# KiCad board oculink-to-pcie-adapter.kicad_pcb
title: OCuLink to PCIe adapter; date: 2025-06-18; rev: 1.0.0; company: Antmicro Ltd; note: www.antmicro.com
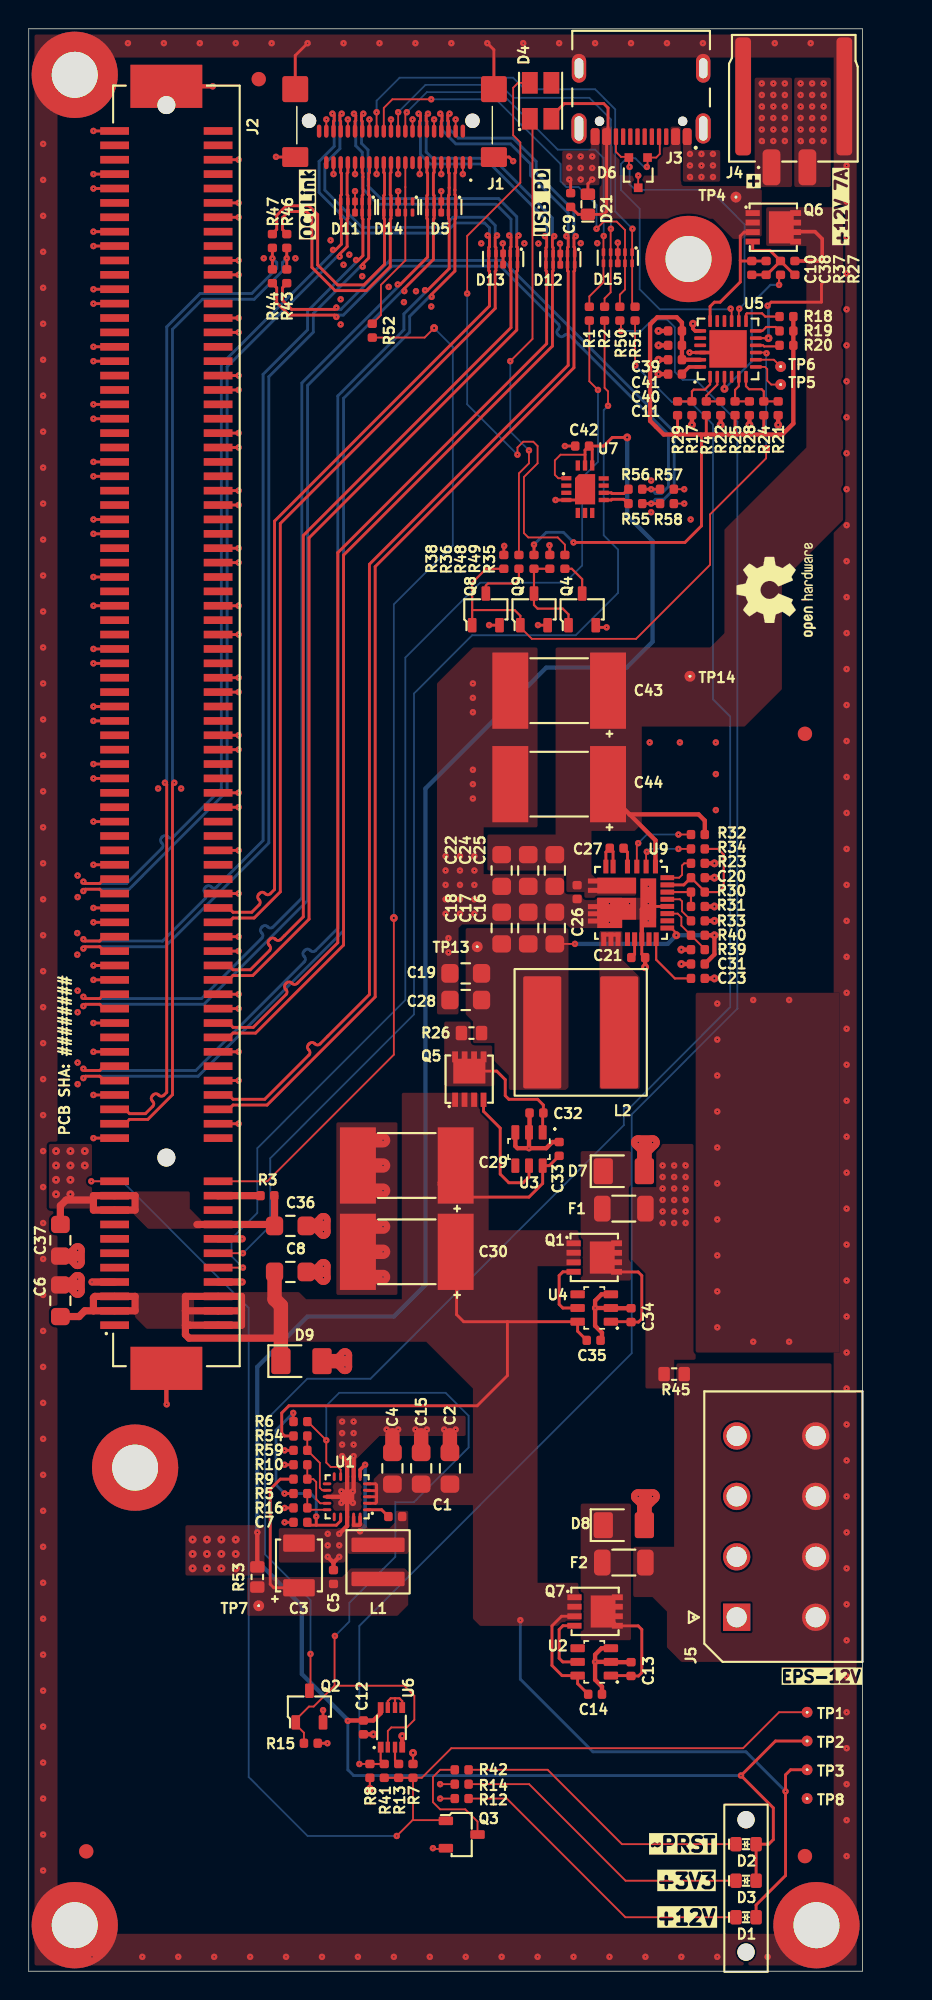
[diagram p0: board, top side]
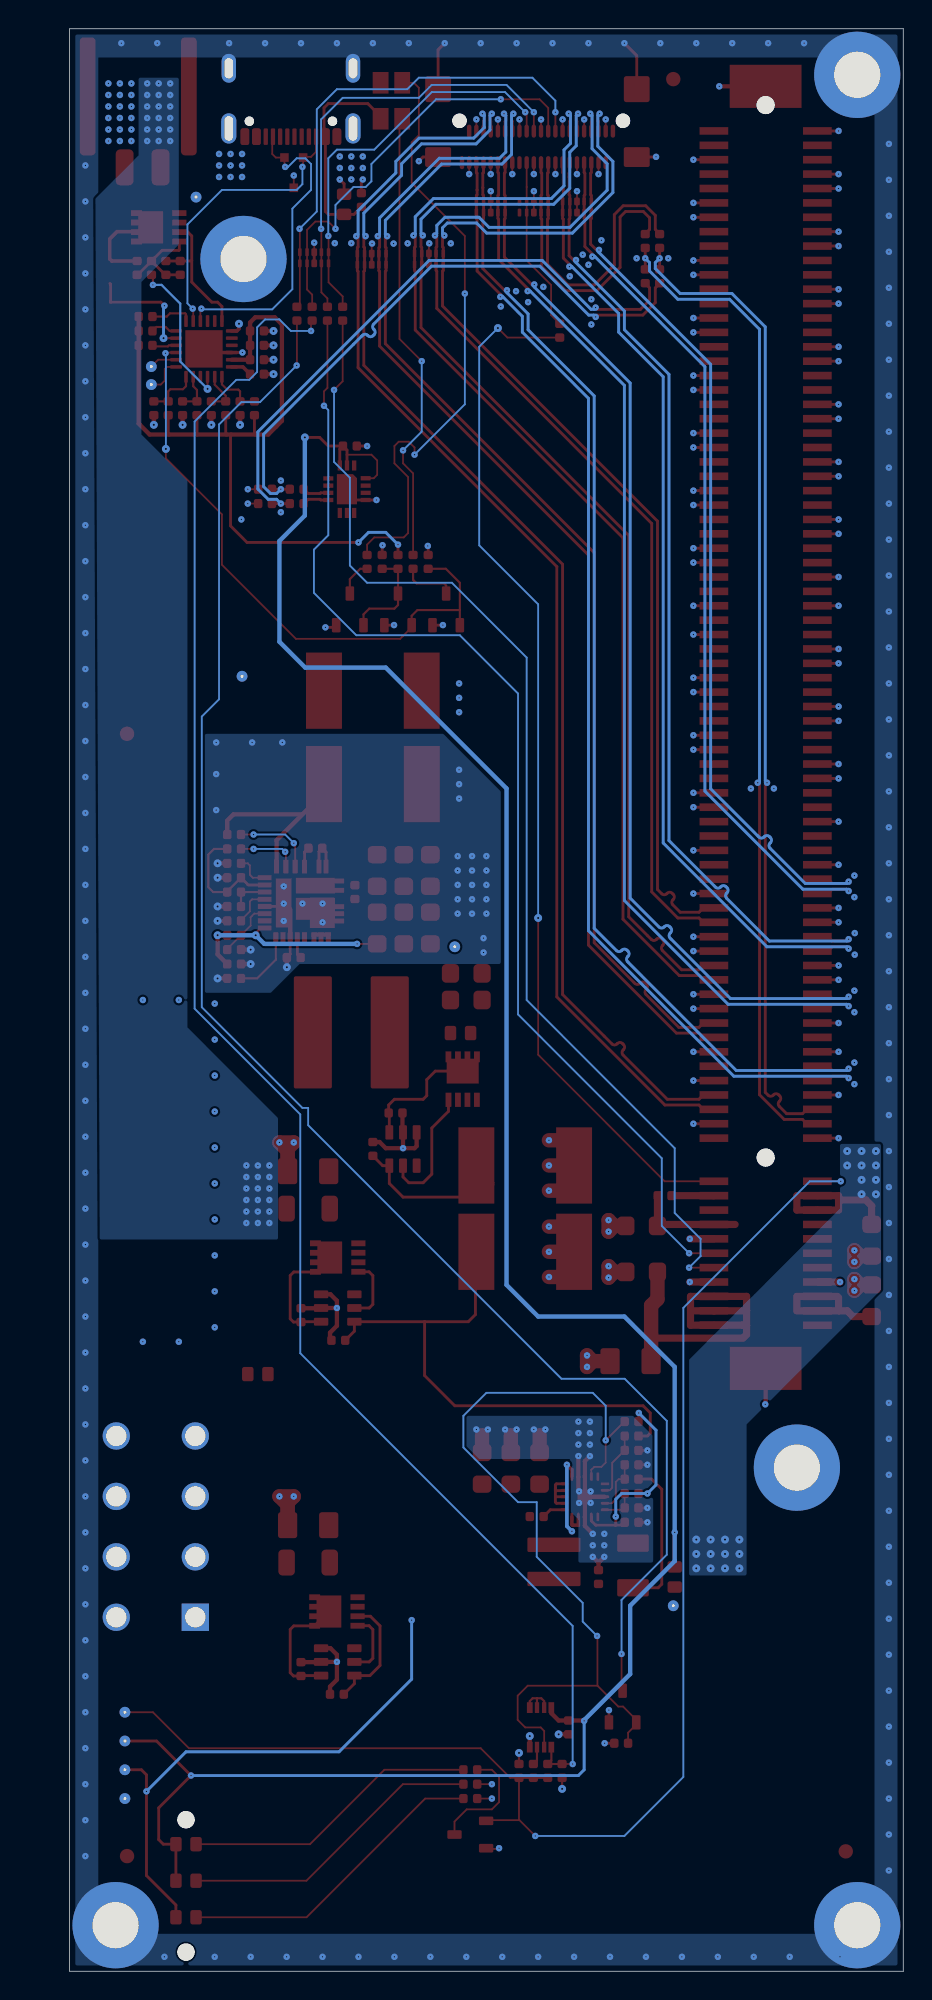
[diagram p1: board, bottom side, seen from below]

Outline 58 x 135 mm; copper layers: Top, In1.Cu, In2.Cu, Bottom. Coordinates in mm from the lower left corner of the outline.
Outline path: 0,135 0,0 58,0 58,135 0,135
Stack: Top 0.035mm / dielectric 0.12mm FR4 er 4.5 / In1.Cu 0.035mm / dielectric 1.2mm FR4 er 4.5 / In2.Cu 0.035mm / dielectric 0.12mm FR4 er 4.5 / Bottom 0.035mm

## Placement (name value [footprint] x y rotation side)
C1  C_100n_0402  [C_0402_1005Metric]  25.5 31.6 0 top
C2  C_22u_25V_0805  [C_0805_2012Metric]  29.3 34.95 270 top
C3  C_Pol_100u_10V_KEMET-T520-B  [C_Pol_EIA-B]  18.8 28.2 90 top
C4  C_22u_25V_0805  [C_0805_2012Metric]  25.3 34.95 270 top
C5  C_1u_25V_0402  [C_0402_1005Metric]  21.2 27.4 270 top
C6  C_10u_0805_35V  [C_0805_2012Metric]  2.2 46.6 90 top
C7  C_1u_25V_0402  [C_0402_1005Metric]  18.9 31.2 0 top
C8  C_10u_0805_35V  [C_0805_2012Metric]  18.2 48.6 0 top
C9  C_4u7_25V_0402  [C_0402_1005Metric]  37.7 123.1 270 top
C10  C_1u_25V_0402  [C_0402_1005Metric]  50.3 118.38 90 top
C11  C_1u_25V_0402  [C_0402_1005Metric]  44.96 111 0 top
C12  C_100n_0402  [C_0402_1005Metric]  23.28 16.95 90 top
C13  C_100n_0402  [C_0402_1005Metric]  41.9 21 270 top
C14  C_1u_25V_0402  [C_0402_1005Metric]  39.4 19.25 180 top
C15  C_22u_25V_0805  [C_0805_2012Metric]  27.3 34.95 270 top
C16  C_22u_25V_0805  [C_0805_2012Metric]  36.6 72.5 270 top
C17  C_22u_25V_0805  [C_0805_2012Metric]  34.75 72.5 270 top
C18  C_22u_25V_0805  [C_0805_2012Metric]  32.9 72.5 270 top
C19  C_22u_25V_0805  [C_0805_2012Metric]  30.4 69.35 0 top
C20  C_1u_25V_0402  [C_0402_1005Metric]  46.55 76 180 top
C21  C_4u7_25V_0402  [C_0402_1005Metric]  42.4 70.45 180 top
C22  C_10u_0805_35V  [C_0805_2012Metric]  32.9 76.5 90 top
C23  C_33n_0402  [C_0402_1005Metric]  46.55 69 0 top
C24  C_10u_0805_35V  [C_0805_2012Metric]  34.75 76.5 90 top
C25  C_10u_0805_35V  [C_0805_2012Metric]  36.6 76.5 90 top
C26  C_100n_0402  [C_0402_1005Metric]  38.15 75 90 top
C27  C_100n_0402  [C_0402_1005Metric]  40.9 78.05 180 top
C28  C_22u_25V_0805  [C_0805_2012Metric]  30.4 67.5 0 top
C29  C_Pol_150u_30V_Vishay-T59-EE  [C_Pol_Vishay-T59-EE]  26.3 56 180 top
C30  C_Pol_150u_30V_Vishay-T59-EE  [C_Pol_Vishay-T59-EE]  26.3 50 180 top
C31  C_100n_0402  [C_0402_1005Metric]  46.55 70 0 top
C32  C_100n_0402  [C_0402_1005Metric]  35.32 59.65 0 top
C33  C_1u_25V_0402  [C_0402_1005Metric]  36.9 57.15 270 top
C34  C_100n_0402  [C_0402_1005Metric]  41.9 45.6 270 top
C35  C_1u_25V_0402  [C_0402_1005Metric]  39.3 43.85 180 top
C36  C_10u_0805_35V  [C_0805_2012Metric]  18.2 51.8 0 top
C37  C_10u_0805_35V  [C_0805_2012Metric]  2.2 50.8 270 top
C38  C_1u_25V_0402  [C_0402_1005Metric]  53.3 118.38 90 top  (not fitted)
C39  C_1u_25V_0402  [C_0402_1005Metric]  44.96 114 0 top
C40  C_100n_0402  [C_0402_1005Metric]  44.96 112 0 top
C41  C_100n_0402  [C_0402_1005Metric]  44.96 113 0 top
C42  C_100n_0402  [C_0402_1005Metric]  38.5 106 0 top  (not fitted)
C43  C_Pol_150u_30V_Vishay-T59-EE  [C_Pol_Vishay-T59-EE]  36.9 89 180 top
C44  C_Pol_150u_30V_Vishay-T59-EE  [C_Pol_Vishay-T59-EE]  36.9 82.5 180 top
D1  LED_G_0603_LTST-C190GKT  [LED_0603_1608Metric_G]  49.9 3.75 0 top
D2  LED_G_0603_LTST-C190GKT  [LED_0603_1608Metric_G]  49.9 8.83 0 top
D3  LED_G_0603_LTST-C190GKT  [LED_0603_1608Metric_G]  49.9 6.29 0 top
D4  LED_RGB_PLCC4_ASMB_MTB1_0A3A2  [PLCC4_3.2x2.8mm]  35.6 130 90 top
D5  ESD204DQAR  [USON-10_2.5x1mm_P0.5mm]  28.7 122.61 270 top
D6  TPD2E2U06_SC70  [SC70-3]  42.4 125 270 top
D7  SZSMF4L14AT3G  [SOD-123FL]  41.4 55.6 0 top
D8  SZSMF4L14AT3G  [SOD-123FL]  41.4 31 0 top
D9  SZSMF4L14AT3G  [SOD-123FL]  18.97 42.4 0 top
D11  ESD204DQAR  [USON-10_2.5x1mm_P0.5mm]  22.7 122.61 270 top
D12  ESD204DQAR  [USON-10_2.5x1mm_P0.5mm]  36.98 118.99 270 top
D13  ESD204DQAR  [USON-10_2.5x1mm_P0.5mm]  33 119 270 top
D14  ESD204DQAR  [USON-10_2.5x1mm_P0.5mm]  25.7 122.61 270 top
D15  ESD204DQAR  [USON-10_2.5x1mm_P0.5mm]  40.98 119.09 270 top
D21  ESDA25P35-1U1M  [QFN-2L_1.6x1x0.55mm]  38.9 122.8 90 top
F1  F_7A_1206  [F_1206_3216Metric]  41.4 53 180 top
F2  F_7A_1206  [F_1206_3216Metric]  41.4 28.4 180 top
H1  Lightpipe_Mentor_1296.2013  [Mech_Lightpipe_Mentor_1296.2013]  49.9 6.29 180 top  (not fitted)
J1  OCuLink_x4_Amphenol_G14A421211112HR_CUSTOM_device_side  [Amphenol_G14A421211112HR]  25.45 130 180 top
J2  PCIe_x16_10146070-113Y0LF-vertical  [AMPHENOL_10146070-113Y0LF]  10.07 86.4 90 top
J3  USB-C_GCT_USB4105-GF-A  [USB-C_Receptacle_GCT_USB4105-GF-A]  42.6 131 180 top
J4  Molex_Nano-Fit_1x2_SMD_1054301202  [Conn_Molex_Nano-Fit_1x2_SMD_1054301202]  53.2 130.27 180 top
J5  Molex_Mini-Fit-Jr_2x4_39-28-8080  [MOLEX_39288080]  49.25 24.6 90 top
L1  L_1u8_6.8A_WE-MAPI-4020  [L_WE-MAPI-4020]  24.3 28.45 270 top
L2  L_4u7_14.6A_Abracon-Q8080  [L_Abracon_ASPIAIG-Q8080]  38.4 65.25 180 top
MP1  -  [MP_Pad6mm_Drill3.2mm]  54.8 3.2 270 top
MP2  -  [MP_Pad6mm_Drill3.2mm]  45.9 119 270 top
MP3  -  [MP_Pad6mm_Drill3.2mm]  3.2 131.8 270 top
MP4  -  [MP_Pad6mm_Drill3.2mm]  3.2 3.2 270 top
MP5  -  [MP_Pad6mm_Drill3.2mm]  7.4 35 270 top
Q1  SQS401EN-T1_BE3  [Vishay_PowerPAK_1212-8_Single]  39.34 49.6 0 top
Q2  BSS138-7-F  [SOT-23-3]  19.53 18.4 90 top
Q3  BSS138-7-F  [SOT-23-3]  30.12 9.5 0 top
Q4  BSS138-7-F  [SOT-23-3]  38.5 94.65 90 top
Q5  SQS401EN-T1_BE3  [Vishay_PowerPAK_1212-8_Single]  30.65 62 90 top
Q6  SQS401EN-T1_BE3  [Vishay_PowerPAK_1212-8_Single]  51.8 121.2 0 top
Q7  SQS401EN-T1_BE3  [Vishay_PowerPAK_1212-8_Single]  39.4 25 0 top
Q8  BSS138-7-F  [SOT-23-3]  31.8 94.65 90 top
Q9  BSS138-7-F  [SOT-23-3]  35.15 94.65 90 top
R1  R_0R_0402  [R_0402_1005Metric]  39 115.2 270 top  (not fitted)
R2  R_0R_0402  [R_0402_1005Metric]  40.06 115.2 270 top  (not fitted)
R3  R_0R_0402  [R_0402_1005Metric]  16.6 53.9 180 top
R4  R_1k_0402  [R_0402_1005Metric]  47.14 108.62 270 top
R5  R_68k_0402  [R_0402_1005Metric]  18.9 33.2 180 top  (not fitted)
R6  R_10k_0402  [R_0402_1005Metric]  18.9 38.2 0 top
R7  R_100k_0402  [R_0402_1005Metric]  26.73 13.92 270 top
R8  R_100k_0402  [R_0402_1005Metric]  23.73 13.92 90 top
R9  R_68k_0402  [R_0402_1005Metric]  18.9 34.2 180 top
R10  R_15k_0402  [R_0402_1005Metric]  18.9 35.2 0 top
R12  R_10k_0402  [R_0402_1005Metric]  30.12 12 0 top
R13  R_0R_0402  [R_0402_1005Metric]  25.73 13.92 270 top
R14  R_1k_0402  [R_0402_1005Metric]  30.12 13 0 top
R15  R_100k_0402  [R_0402_1005Metric]  19.62 15.85 180 top
R16  R_10k_0402  [R_0402_1005Metric]  18.9 32.2 180 top
R17  R_1k_0402  [R_0402_1005Metric]  46.14 108.62 90 top  (not fitted)
R18  R_2k_0402  [R_0402_1005Metric]  52.71 115 0 top
R19  R_2k_0402  [R_0402_1005Metric]  52.71 114 0 top
R20  R_49k9_0402  [R_0402_1005Metric]  52.71 113 0 top
R21  R_1k_0402  [R_0402_1005Metric]  52.14 108.62 90 top
R22  R_1k_0402  [R_0402_1005Metric]  48.14 108.62 90 top  (not fitted)
R23  R_2k_0402  [R_0402_1005Metric]  46.55 77 0 top
R24  R_1k_0402  [R_0402_1005Metric]  51.14 108.62 270 top  (not fitted)
R25  R_1k_0402  [R_0402_1005Metric]  49.14 108.62 270 top
R26  R_0R_22.4A_0603  [R_0603_1608Metric]  30.8 65.2 0 top
R27  R_10k_0402  [R_0402_1005Metric]  51.3 118.38 90 top
R28  R_1k_0402  [R_0402_1005Metric]  50.14 108.62 90 top  (not fitted)
R29  R_1k_0402  [R_0402_1005Metric]  45.14 108.62 270 top
R30  R_0R_0402  [R_0402_1005Metric]  46.55 75 180 top
R31  R_68k_0402  [R_0402_1005Metric]  46.55 74 180 top  (not fitted)
R32  R_100k_0402  [R_0402_1005Metric]  46.55 79 0 top
R33  R_158k_0402  [R_0402_1005Metric]  46.55 73 180 top
R34  R_100k_0402  [R_0402_1005Metric]  46.55 78 0 top
R35  R_68k_0402  [R_0402_1005Metric]  37.3 97.95 90 top
R36  R_10k_0402  [R_0402_1005Metric]  34.1 97.95 90 top
R37  R_1k_0402  [R_0402_1005Metric]  52.3 118.38 90 top
R38  R_10k_0402  [R_0402_1005Metric]  33.05 97.95 270 top
R39  R_10k_0.1%_0402  [R_0402_1005Metric]  46.55 71 0 top
R40  R_140k_0.1%_0402  [R_0402_1005Metric]  46.55 72 0 top
R41  R_0R_0402  [R_0402_1005Metric]  24.73 13.92 270 top  (not fitted)
R42  R_1k_0402  [R_0402_1005Metric]  30.12 14 0 top
R43  R_0R_0402  [R_0402_1005Metric]  17.95 117.8 90 top  (not fitted)
R44  R_0R_0402  [R_0402_1005Metric]  16.95 117.8 90 top  (not fitted)
R45  R_0R_22.4A_0603  [R_0603_1608Metric]  44.9 41.5 180 top  (not fitted)
R46  R_0R_0402  [R_0402_1005Metric]  17.95 120.25 270 top
R47  R_0R_0402  [R_0402_1005Metric]  16.95 120.25 270 top
R48  R_1k_0402  [R_0402_1005Metric]  35.15 97.95 90 top
R49  R_10k_0402  [R_0402_1005Metric]  36.25 97.95 270 top
R50  R_0R_0402  [R_0402_1005Metric]  41.12 115.2 270 top
R51  R_0R_0402  [R_0402_1005Metric]  42.18 115.2 270 top
R52  R_0R_0402  [R_0402_1005Metric]  23.9 114.02 270 top
R53  R_0R_22.4A_0603  [R_0603_1608Metric]  15.9 27.4 270 top
R54  R_10k_0402  [R_0402_1005Metric]  18.9 37.2 0 top
R55  R_22R_0402  [R_0402_1005Metric]  42.2 102 0 top  (not fitted)
R56  R_22R_0402  [R_0402_1005Metric]  42.2 103 0 top  (not fitted)
R57  R_50R_0402  [R_0402_1005Metric]  44.4 103 180 top  (not fitted)
R58  R_50R_0402  [R_0402_1005Metric]  44.4 102 180 top  (not fitted)
R59  R_1k5_0402  [R_0402_1005Metric]  18.9 36.2 0 top
REF**  -  [Fiducial_1mm_Mask2mm]  16 131.5 0 top
REF**#2  -  [Fiducial_1mm_Mask2mm]  54 86 0 top
REF**#3  antmicro-logo_scaled_20mm  [antmicro-logo_scaled_20mm_mask]  51.8 55.7 90 top
REF**#4  -  [OSHW-Logo2_7.3x6mm_SilkScreen]  52 96 90 top
REF**#5  -  [Fiducial_1mm_Mask2mm]  54 8 0 top
REF**#6  -  [Fiducial_1mm_Mask2mm]  4 8.33 0 top
TP1  -  [TP_Pad0.75mm_Drill0.2mm]  54.15 18 270 top
TP2  -  [TP_Pad0.75mm_Drill0.2mm]  54.15 16 270 top
TP3  -  [TP_Pad0.75mm_Drill0.2mm]  54.15 14 0 top
TP4  -  [TP_Pad0.75mm_Drill0.2mm]  49.2 123.3 180 top
TP5  -  [TP_Pad0.75mm_Drill0.2mm]  52.31 110.27 180 top
TP6  -  [TP_Pad0.75mm_Drill0.2mm]  52.31 111.52 180 top
TP7  -  [TP_Pad0.75mm_Drill0.2mm]  16 25.4 180 top
TP8  -  [TP_Pad0.75mm_Drill0.2mm]  54.15 12 0 top
TP13  -  [TP_Pad0.75mm_Drill0.2mm]  31.2 71.2 90 top
TP14  -  [TP_Pad0.75mm_Drill0.2mm]  46 90 0 top
U1  TPS56C230  [QFN-20-1EP_3x3mm_P0.45mm]  22.15 32.97 180 top
U2  LTC4412IS6  [SOT-23-6]  39.4 21.5 90 top
U3  LTC4412IS6  [SOT-23-6]  34.8 57.2 180 top
U4  LTC4412IS6  [SOT-23-6]  39.4 46.1 90 top
U5  CYPD3177-24LQXQ  [QFN-24-1EP_4x4mm_P0.5mm_EP2.6x2.6mm]  48.65 112.75 90 top
U6  74AUP2G132  [VSSOP-8_2.3x2mm_P0.5mm]  25.22 16.95 90 top
U7  DSC557-0343FI1  [VQFN-14-1EP_3.2x2.5mm_P0.5mm_Layout4x3]  38.7 103 0 top  (not fitted)
U9  SIC477ED-T1-GE3  [SIC47XED-T1-GE3]  41.9 74.25 270 top

## Library data of the parts
C1 C12 C13 C32 C34 C40-C42 = -: Datasheet: https://www.murata.com/products/productdetail?partno=GRM155R61H104KE14%23; Description: SMD Multilayer Ceramic Capacitor, 0.1 µF, 50 V, 0402 [1005 Metric], ± 10%, X5R, GRM Series; MPN: GRM155R61H104KE14D; Manufacturer: Murata; License: Apache-2.0; Author: Antmicro; Val: 100n; Voltage: 50V; Dielectric: X5R
C2 C4 C15-C19 C28 = -: Datasheet: https://product.samsungsem.com/mlcc/CL21A226MAYNNN.do; Description: SMT Multilayer Ceramic Capacitor, 22uF, +/-20%, 25V, X5R, 0805 [2012 Metric]; MPN: CL21A226MAYNNNE; Manufacturer: Samsung Electro-Mechanics; License: Apache-2.0; Author: Antmicro; Val: 22u; Voltage: 25V; Dielectric: X5R; Public: False
C3 = -: Datasheet: https://www.kemet.com/en/us/capacitors/product/T520B107M010ATE070.html; Description: Tantalum Capacitors - Polymer 10V 100uF 1311 20% ESR=70mOhms; Val: 100u; MPN: T520B107M010ATE070; Manufacturer: KEMET; License: Apache-2.0; Author: Antmicro; Voltage: 10V; Dielectric: template_dielectric
C5 C7 C10 C14 C20 C33 C35 C38 C39 = -: Datasheet: https://www.murata.com/products/productdetail?partno=GRM155R61E105KE11%23; Description: SMD Multilayer Ceramic Capacitor, 1 µF, 25 V, 0402 [1005 Metric], ± 10%, X5R, GRM Series; MPN: GRM155R61E105KE11J; Manufacturer: Murata; License: Apache-2.0; Author: Antmicro; Val: 1u; Voltage: 25V; Dielectric: X5R
C6 C8 C22 C24 C25 C36 C37 = -: Datasheet: https://www.murata.com/products/productdetail?partno=GRM21BR6YA106KE43%23; Description: SMD Multilayer Ceramic Capacitor, 10 µF, 35 V, 0805 [2012 Metric], ± 10%, X5R, GRM Series; MPN: GRM21BR6YA106KE43L; Manufacturer: Murata; License: Apache-2.0; Author: Antmicro; Val: 10u; Voltage: 35V; Public: False
C9 C21 = -: Datasheet: https://www.murata.com/products/productdetail?partno=GRM155C61E475ME15%23; Description: SMD Multilayer Ceramic Capacitor; MPN: GRM155C61E475ME15J; Manufacturer: Murata; License: Apache-2.0; Author: Antmicro; Val: 4u7; Voltage: 25V; Dielectric: X5S
C11 = -: Datasheet: https://www.murata.com/products/productdetail?partno=GRM155R61E105KE11%23; Description: SMD Multilayer Ceramic Capacitor, 1 µF, 25 V, 0402 [1005 Metric], ± 10%, X5R, GRM Series; MPN: GRM155R61E105KE11J; Val: 1u; Voltage: 25V; Dielectric: X5R; Manufacturer: Murata; License: Apache-2.0; Author: Antmicro
C23 = -: Datasheet: https://www.murata.com/products/productdetail?partno=GCM155R71E333KA55%23; Description: SMD Multilayer Ceramic Capacitor, 33000 pF, 25 V, 0402 [1005 Metric], ± 10%, X7R, MC; Manufacturer: Murata; MPN: GCM155R71E333KA55D; Val: 33n; License: Apache-2.0; Author: Antmicro
C26 C27 C31 = -: Datasheet: https://www.murata.com/products/productdetail?partno=GRM155R61H104KE14%23; Description: SMD Multilayer Ceramic Capacitor, 0.1 µF, 50 V, 0402 [1005 Metric], ± 10%, X5R, GRM Series; MPN: GRM155R61H104KE14D; Val: 100n; Voltage: 50V; Dielectric: X5R; Manufacturer: Murata; License: Apache-2.0; Author: Antmicro
C29 C30 C43 C44 = -: Datasheet: https://www.vishay.com/docs/40191/t59.pdf; Description: Tantalum Capacitors - Polymer 150uF 30volts 20% 75mohms maxESR; MPN: T59EE157M030C0075; Manufacturer: Vishay; Voltage: 30V; Val: 150u; Author: Antmicro; License: Apache-2.0; Dielectric: template_dielectric
D1-D3 = -: Datasheet: https://media.digikey.com/pdf/Data%20Sheets/Lite-On%20PDFs/LTST-C190GKT.pdf; Description: LED, Green, SMD, 0603, 20 mA, 2.1 V, 569 nm; MPN: LTST-C190GKT; Manufacturer: Lite-On; Color: Green; Author: Antmicro; License: Apache-2.0
D4 = -: Datasheet: https://docs.broadcom.com/doc/AV02-4194EN; Description: LED, RGB, SMD, PLCC-4, R 20 mA, G 20 mA, B 20 mA, R 2.1 V, G 3.1 V, B 3.1 V, Common Anode; MPN: ASMB-MTB1-0A3A2; Manufacturer: Avago Technologies; Color: R, G, B; Author: Antmicro; License: Apache-2.0
D5 D11-D15 = -: Datasheet: https://www.ti.com/lit/ds/symlink/esd204.pdf?ts=1706004844383&ref_url=https%253A%252F%252Fwww.ti.com%252Finterface%252Fdiodes%252Fesd-protection-diodes%252Fproducts.html; Description: TVS diode array, 30 kV, USON-10, 3.6 V, 0.55 pF; Manufacturer: Texas Instruments; Author: Antmicro; License: Apache-2.0
D6 = -: Datasheet: https://www.ti.com/lit/ds/symlink/tpd2e2u06.pdf?ts=1706006131823&ref_url=https%253A%252F%252Fwww.ti.com%252Finterface%252Fdiodes%252Fesd-protection-diodes%252Fproducts.html; Description: TVS diode array, 15 kV, SC70, 5.5V, 1.5 pF; MPN: TPD2E2U06DCKR; Manufacturer: Texas Instruments; Author: Antmicro; License: Apache-2.0
D7-D9 = -: Datasheet: https://www.mouser.com/datasheet/2/240/media-3320461.pdf; Description: ESD, TVS Diode, 14V, UNI, 400W, SOD-123FL; MPN: SZSMF4L12AT3G; Author: Antmicro; License: Apache-2.0; Manufacturer: Littelfuse
D21 = -: Datasheet: https://www.st.com/resource/en/datasheet/esda25p35-1u1m.pdf; Description: Unidirectional TVS, 30 kV, QFN-2L, 22 V, 195 pF; Manufacturer: STMicroelectronics; Author: Antmicro; License: Apache-2.0
F1 F2 = -: Datasheet: https://us.schurter.com/pdf/english/typ_UST_1206.pdf; Description: 7 A 32 V AC 63 V DC Fuse Board Mount (Cartridge Style Excluded) Surface Mount 1206 (3216 Metric); Manufacturer: Schurter; MPN: 3413.0326.11; Author: Antmicro; License: Apache-2.0
H1 = -: Datasheet: https://docs.rs-online.com/e47b/0900766b813f6efb.pdf; Description: Light Pipe, Miniature Triple Line, 14.45 mm, 3 Pipes, Circular, PC Board, Transparent; Manufacturer: Mentor Worldwide; MPN: 1296.2013; Author: Antmicro; License: Apache-2.0
J1 = -: Datasheet: https://cdn.amphenol-cs.com/media/wysiwyg/files/drawing/g14a421x1bxxxhr.pdf; Description: I/O Connectors OCulink, Receptacle, 0.5mm pitch, 4X, R/A SMT with shell leg SMT type, 30U" gold plating, LCP, black, T&R packing; Manufacturer: Amphenol; MPN: G14A421211112HR; Author: Antmicro; License: Apache-2.0
J2 = -: Datasheet: https://www.farnell.com/datasheets/3212936.pdf; Description: 164 Position Female Connector PCI Express™ Gold 0.039" (1.00mm) Black; PARTREV: E; STANDARD: Manufacturer Recommendations; MAXIMUM_PACKAGE_HEIGHT: 11.25mm; Manufacturer: Amphenol; Author: Antmicro; License: Apache-2.0; MPN: 10146070-113Y0LF
J3 = -: Datasheet: https://gct.co/files/drawings/usb4105.pdf; Description: USB-C (USB TYPE-C) USB 2.0 Receptacle Connector 24 (16+8 Dummy) Position Surface Mount, Right Angle; Manufacturer: GCT; MPN: USB4105-GF-A; Author: Antmicro; License: Apache-2.0
J4 = -: Datasheet: https://www.farnell.com/cad/3578051.pdf; Description: Pin Header, Pitch 2.5 mm, 1 Row, 2 Contacts, Nano-Fit; Manufacturer: Molex; MPN: 105430-1202; Author: Antmicro; License: Apache-2.0
J5 = -: Datasheet: https://www.molex.com/pdm_docs/sd/039288080_sd.pdf; Description: Pin Header, THT, Vertical, UL94V-2, Power, Wire-to-Board, 4.2 mm, 2 Rows, 8 Contacts, Mini-fit Jr, 5566 series; MPN: 39-28-8080; Manufacturer: Molex; Author: Antmicro; License: Apache-2.0
L1 = -: Datasheet: https://www.we-online.com/components/products/datasheet/74438356018.pdf; Description: Power Inductors - SMD WE-MAPI 1.8uH 4.6A DCR=30mOhms AEC-Q200; Val: 1u8/6.8A; Manufacturer: Würth Elektronik; MPN: 74438356018; ISat: 6.5 A; IMax: 6.8 A; Size: 4.1x4.1mm; Author: Antmicro; License: Apache-2.0
L2 = -: Datasheet: https://www.mouser.com/datasheet/2/3/ASPIAIG_Q8080-2256550.pdf; Description: Power Inductors - SMD 4.7 UH 20%; MPN: ASPIAIG-Q8080-4R7M-T; ISat: 17A; IMax: 14.6A; Size: 8.9x8.5; Val: 4.7u/14.6A; Author: Antmicro; License: Apache-2.0; Manufacturer: Abracon
MP1-MP5 = -: Description: Mechanical part; Author: Antmicro; License: Apache-2.0
Q1 Q5-Q7 = -: Datasheet: https://www.vishay.com/docs/65529/sqs401en.pdf; Description: MOSFET, P Channel, 40 V, 16A, 0.047 ohm, PowerPAK 1212-8, Surface Mount; Manufacturer: Vishay; Author: Antmicro; License: Apache-2.0
Q2-Q4 Q8 Q9 = -: Datasheet: https://www.diodes.com/assets/Datasheets/ds30144.pdf; Description: Power MOSFET, N Channel, 50 V, 200 mA, 1.4 ohm, SOT-23, Surface Mount; Manufacturer: Diodes Incorporated; Author: Antmicro; License: Apache-2.0
R1-R3 R13 R41 R43 R44 R46 R47 R50-R52 = -: Datasheet: https://industrial.panasonic.com/cdbs/www-data/pdf/RDA0000/AOA0000C301.pdf; Description: SMD Chip Resistor, Jumper, 0 ohm, 100 mW, 0402 [1005 Metric], Thick Film, General Purpose; MPN: ERJ2GE0R00X; Manufacturer: Panasonic; License: Apache-2.0; Author: Antmicro; Val: 0R; Current: 1A
R4 R14 R17 R21 R22 R24 R25 R28 R29 R37 R42 R48 = -: Datasheet: https://www.bourns.com/docs/product-datasheets/cr.pdf; Description: SMD Chip Resistor, 1 kohm, ± 1%, 63 mW, 0402 [1005 Metric], Thick Film, General Purpose; MPN: CR0402-FX-1001GLF; Manufacturer: Bourns; License: Apache-2.0; Author: Antmicro; Val: 1k; Tolerance: 1%
R5 R9 R31 R35 = -: Datasheet: https://www.bourns.com/docs/product-datasheets/cr.pdf; Description: SMD Chip Resistor; MPN: CR0402-FX-6802GLF; Manufacturer: Bourns; License: Apache-2.0; Author: Antmicro; Val: 68k; Tolerance: 1%
R6 R12 R16 R27 R36 R38 R49 R54 = -: Datasheet: https://www.bourns.com/docs/product-datasheets/cr.pdf; Description: SMD Chip Resistor, 10 kohm, ± 1%, 62.5 mW, 0402 [1005 Metric], Thick Film, General Purpose; MPN: CR0402-FX-1002GLF; Manufacturer: Bourns; License: Apache-2.0; Author: Antmicro; Val: 10k; Tolerance: 1%
R7 R8 R15 = -: Datasheet: https://www.bourns.com/docs/product-datasheets/cr.pdf; Description: SMD Chip Resistor, 100 kohm, ± 1%, 62.5 mW, 0402 [1005 Metric], Thick Film, General Purpose; MPN: CR0402-FX-1003GLF; Manufacturer: Bourns; License: Apache-2.0; Author: Antmicro; Val: 100k; Tolerance: 1%
R10 = -: Datasheet: https://www.bourns.com/docs/product-datasheets/cr.pdf; Description: SMD Chip Resistor, 15 kohm, ± 1%, 62.5 mW, 0402 [1005 Metric], Thick Film, General Purpose; MPN: CR0402-FX-1502GLF; Manufacturer: Bourns; License: Apache-2.0; Author: Antmicro; Val: 15k; Tolerance: 1%
R18 R19 = -: Datasheet: https://www.bourns.com/docs/product-datasheets/cr.pdf; Description: SMD Chip Resistor, 2 kohm, ± 1%, 62.5 mW, 0402 [1005 Metric], Thick Film, General Purpose; MPN: CR0402-FX-2001GLF; Manufacturer: Bourns; License: Apache-2.0; Author: Antmicro; Val: 2k; Tolerance: 1%
R20 = -: Datasheet: https://www.bourns.com/docs/product-datasheets/cr.pdf; Description: SMD Chip Resistor, 49.9 kohm, ± 1%, 63 mW, 0402 [1005 Metric], Thick Film, General Purpose; MPN: CR0402-FX-4992GLF; Manufacturer: Bourns; License: Apache-2.0; Author: Antmicro; Val: 49k9; Tolerance: 1%
R23 = -: Datasheet: https://www.bourns.com/docs/product-datasheets/cr.pdf; Description: SMD Chip Resistor, 2 kohm, ± 1%, 62.5 mW, 0402 [1005 Metric], Thick Film, General Purpose; Manufacturer: Bourns; MPN: CR0402-FX-2001GLF; Val: 2k; License: Apache-2.0; Author: Antmicro; Tolerance: 1%
R26 R45 R53 = -: Datasheet: https://fscdn.rohm.com/en/products/databook/datasheet/passive/resistor/chip_resistor/pmr-jpw-e.pdf; Description: SMD Chip Resistor; MPN: PMR03EZPJ000; Manufacturer: ROHM Semiconductor; Val: 0R; Max. Curr.: 22.4A; Author: Antmicro; License: Apache-2.0; Tolerance: template_tolerance
R30 = -: Datasheet: https://industrial.panasonic.com/cdbs/www-data/pdf/RDA0000/AOA0000C301.pdf; Description: SMD Chip Resistor, Jumper, 0 ohm, 100 mW, 0402 [1005 Metric], Thick Film, General Purpose; Manufacturer: Panasonic; MPN: ERJ2GE0R00X; Val: 0R; License: Apache-2.0; Author: Antmicro; Current: 1A
R32 R34 = -: Datasheet: https://www.bourns.com/docs/product-datasheets/cr.pdf; Description: SMD Chip Resistor, 100 kohm, ± 1%, 62.5 mW, 0402 [1005 Metric], Thick Film, General Purpose; Manufacturer: Bourns; MPN: CR0402-FX-1003GLF; Val: 100k; License: Apache-2.0; Author: Antmicro; Tolerance: 1%
R33 = -: Datasheet: https://www.bourns.com/docs/product-datasheets/cr.pdf; Description: SMD Chip Resistor, 158 kohm, ± 1%, 100 mW, 0402 [1005 Metric], Thick Film, Precision; MPN: CR0402-FX-1583GLF; Manufacturer: Bourns; License: Apache-2.0; Author: Antmicro; Val: 158k; Tolerance: 1%
R39 = -: Datasheet: https://www.mouser.com/datasheet/2/54/CRT-1649066.pdf; Description: SMD Chip Resistor, 10 kohm, ± 0.1%, 62.5 mW, 0402 [1005 Metric], Thin Film, Precision Resistors; MPN: CRT0402-BY-1002GLF; Val: 10k; Manufacturer: Bourns; Tolerance: 0.1%; License: Apache-2.0; Author: Antmicro
R40 = -: Datasheet: https://www.vishay.com/docs/28758/tnpw_e3.pdf; Description: SMD Chip Resistor, Ceramic, 140 kohm, ± 0.1%, 62.5 mW, 0402 [1005 Metric], Thin Film, Precision resistors; MPN: RT0402BRD07140KL; Val: 140k; Manufacturer: YAGEO; Tolerance: 0.1%; License: Apache-2.0; Author: Antmicro
R55 R56 = -: Datasheet: https://www.bourns.com/docs/product-datasheets/cr.pdf; Description: SMD Chip Resistor, 22 ohm, ± 1%, 62.5 mW, 0402 [1005 Metric], Thick Film, General Purpose; MPN: CR0402-FX-22R0GLF; Manufacturer: Bourns; License: Apache-2.0; Author: Antmicro; Val: 22R; Tolerance: 1%
R57 R58 = -: Datasheet: https://www.bourns.com/docs/product-datasheets/cr.pdf; Description: SMD Chip Resistor; MPN: CR0402-FX-50R0GLF; Manufacturer: Bourns; License: Apache-2.0; Author: Antmicro; Val: 50R; Tolerance: 1%
R59 = -: Datasheet: https://www.bourns.com/docs/product-datasheets/cr.pdf; Description: SMD Chip Resistor, 1.5 kohm, ± 1%, 62.5 mW, 0402 [1005 Metric], Thick Film, General Purpose; MPN: CR0402-FX-1501GLF; Manufacturer: Bourns; License: Apache-2.0; Author: Antmicro; Val: 1k5; Tolerance: 1%
TP1-TP8 TP13 TP14 = -: Description: SMT test point; Author: Antmicro; License: Apache-2.0
U1 = -: Datasheet: https://www.ti.com/lit/ds/symlink/tps56c230.pdf; Description: DC/DC converter; Manufacturer: Texas Instruments; MPN: TPS56C230RJER; Author: Antmicro; License: Apache-2.0
U2-U4 = -: Datasheet: https://www.analog.com/media/en/technical-documentation/data-sheets/4412fb.pdf; Description: Ideal diode controller; MPN: LTC4412IS6#TRMPBF; Manufacturer: Analog Devices; Author: Antmicro; License: Apache-2.0
U5 = -: Datasheet: https://www.infineon.com/dgdl/Infineon-EZ-PD_BCR_Datasheet_USB_Type-C_Port_Controller_for_Power_Sinks-DataSheet-v03_00-EN.pdf?fileId=8ac78c8c7d0d8da4017d0ee7ce9d70ad; Description: USB Interface, USB Type-C and Power Delivery (PD) Controller, USB PD 3.0, 2.7 V, 5.5 V, QFN-EP; Manufacturer: Infineon; Author: Antmicro; License: Apache-2.0